# Altium PCB STB_LightBoard.PcbDoc (part 19 of 31) (continued)
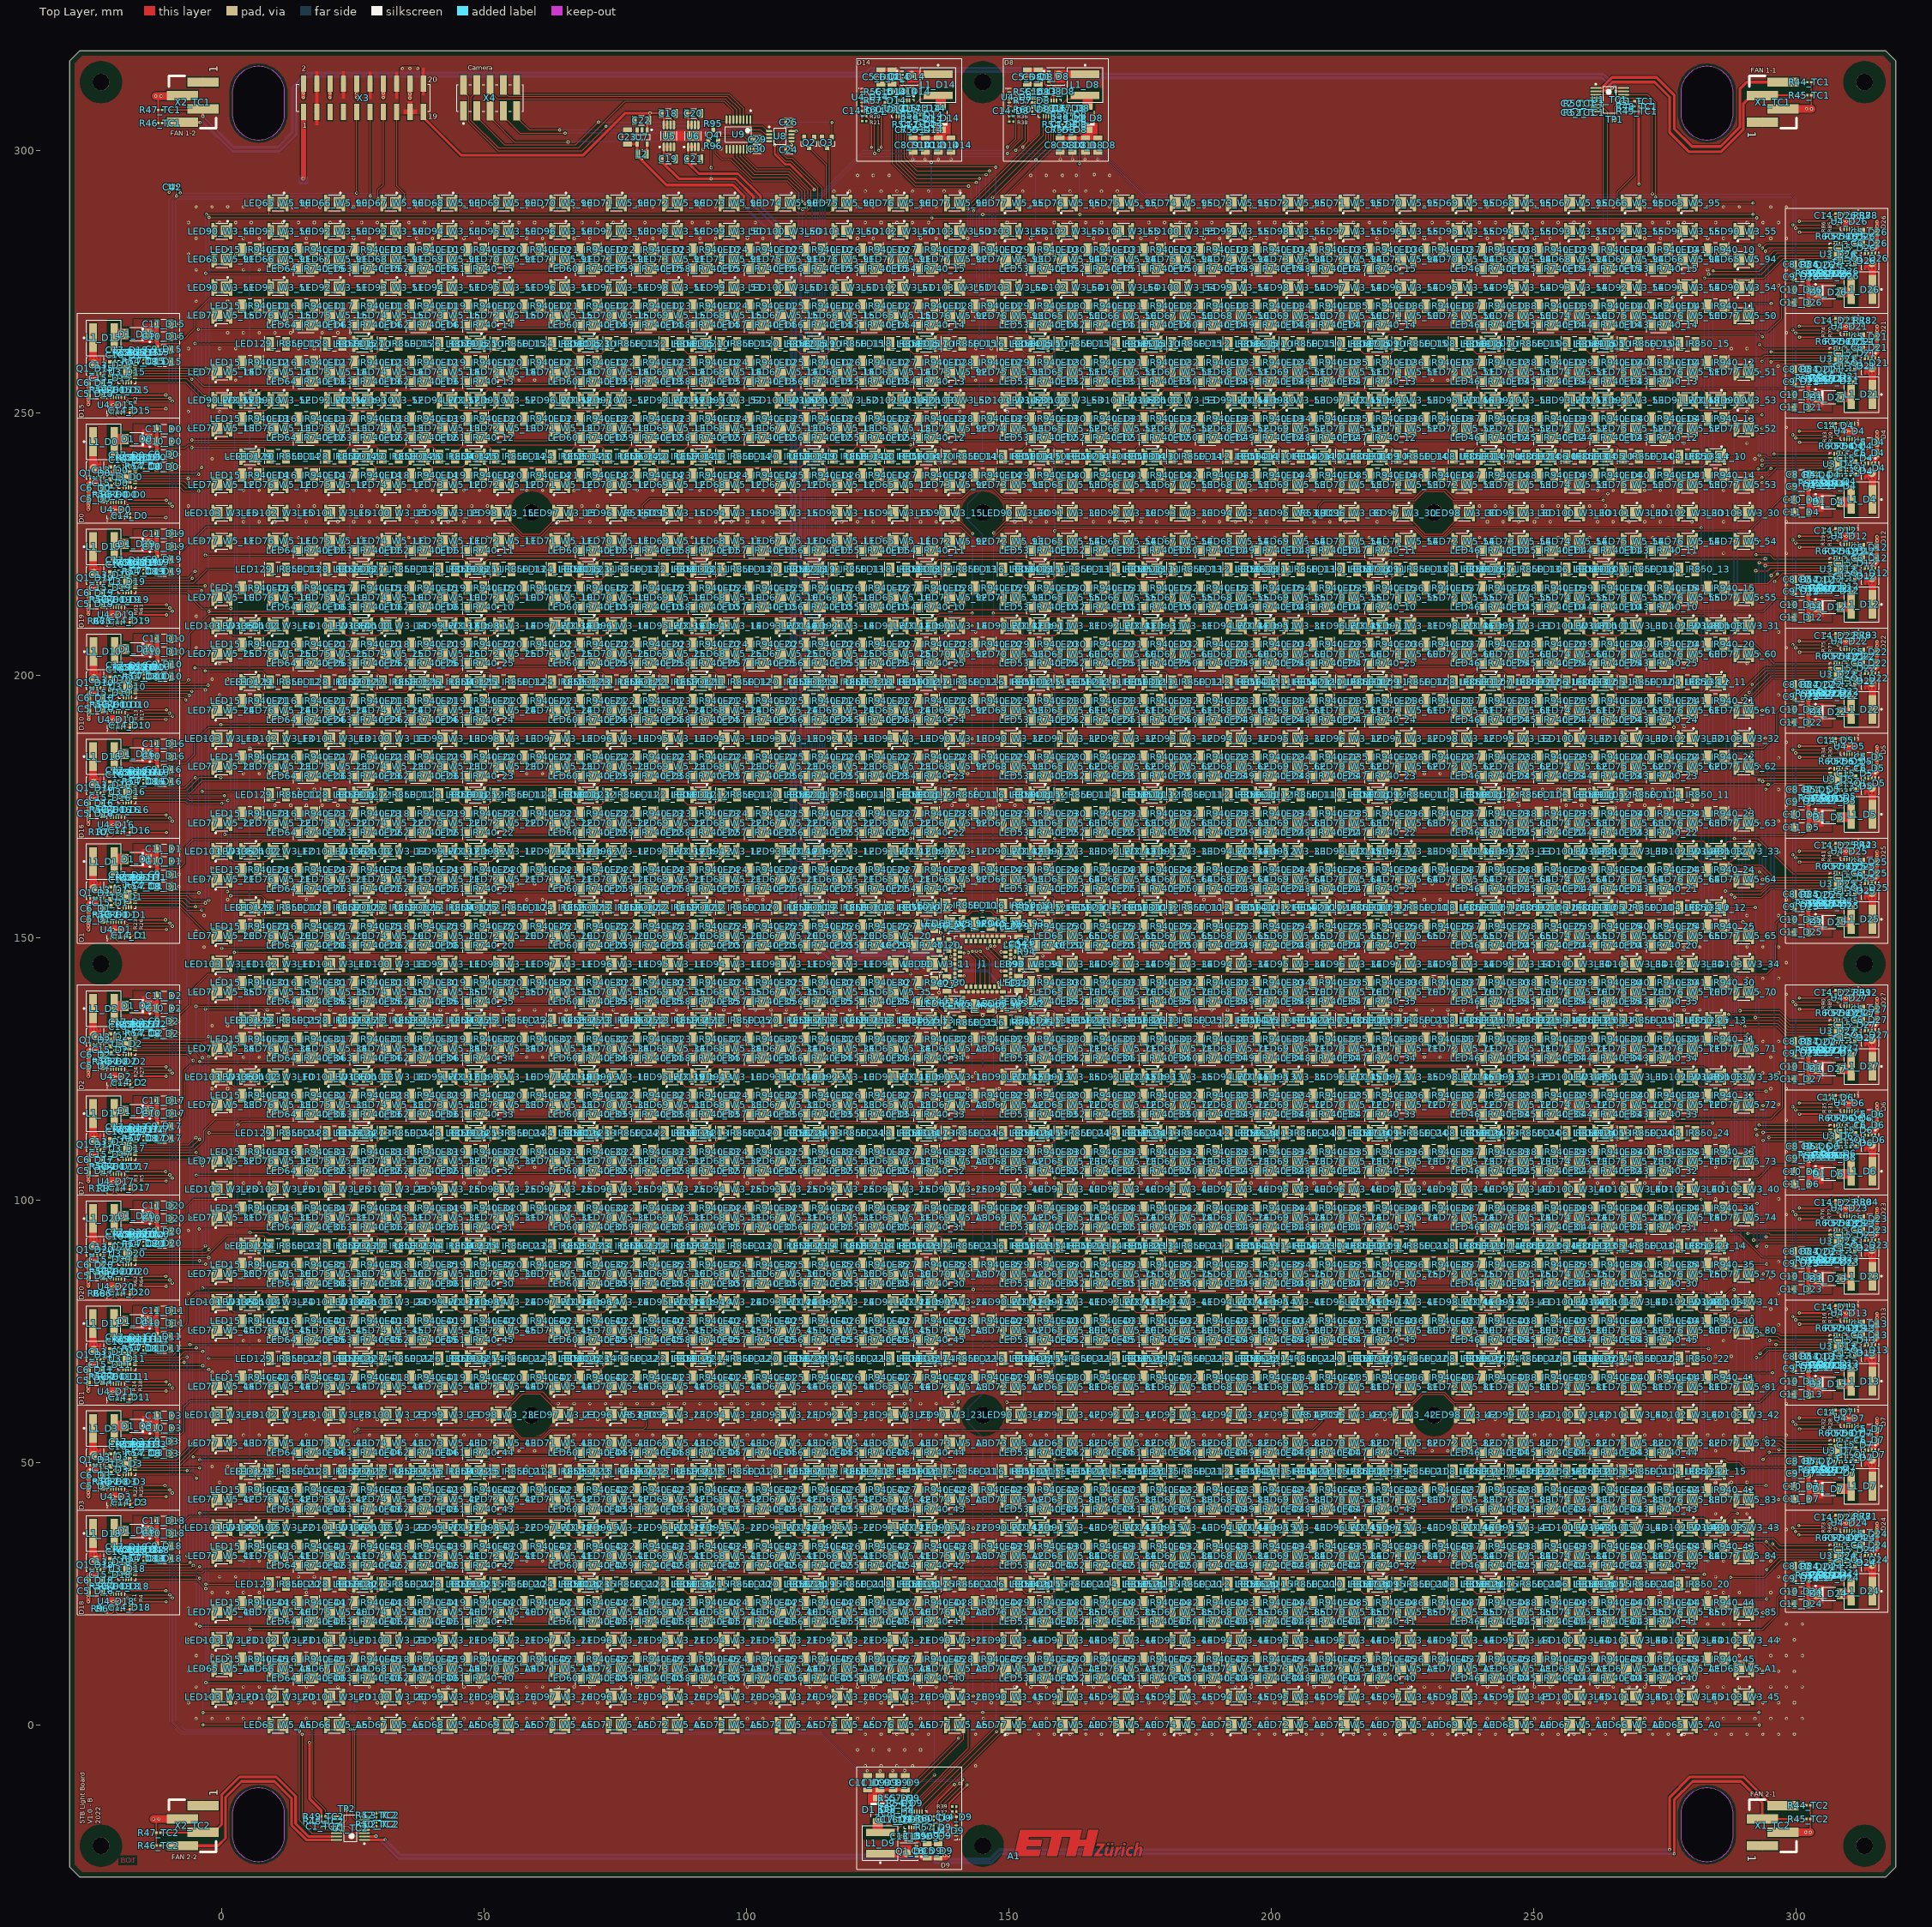
[diagram p0: Top Layer view]
## Nets (pads, with @x,y where several pads share a name; then routed paths per layer and width w, separated by ;. In a path a pad name is that pad's centre, name@x,y a point inside that pad or via, vN(x,y) a via of type N, cw(c..) or ccw(c..) an arc to the next point about the centre after c; other vN are vias at no path point) (continued)
  Top Layer w0.2: LED27_IR940_13.1@135.762,248.843 136.296,249.377 142.969,249.377 LED28_IR940_13.2@143.503,248.843
NetLED27_IR940_14_1: LED27_IR940_14.1 LED28_IR940_14.2 | length 8.2
  Top Layer w0.2: LED27_IR940_14.1@135.762,238.102 136.296,238.636 142.969,238.636 LED28_IR940_14.2@143.503,238.102
NetLED27_IR940_15_1: LED27_IR940_15.1 LED28_IR940_15.2 | length 8.2
  Top Layer w0.2: LED27_IR940_15.1@135.762,216.62 136.296,217.154 142.969,217.154 LED28_IR940_15.2@143.503,216.62
NetLED27_IR940_20_1: LED27_IR940_20.1 LED28_IR940_20.2 | length 8.2
  Top Layer w0.2: LED27_IR940_20.1@135.762,205.879 136.296,206.413 142.969,206.413 LED28_IR940_20.2@143.503,205.879
NetLED27_IR940_21_1: LED27_IR940_21.1 LED28_IR940_21.2 | length 8.2
  Top Layer w0.2: LED27_IR940_21.1@135.762,195.138 136.296,195.672 142.969,195.672 LED28_IR940_21.2@143.503,195.138
NetLED27_IR940_22_1: LED27_IR940_22.1 LED28_IR940_22.2 | length 8.2
  Top Layer w0.2: LED27_IR940_22.1@135.762,184.397 136.296,184.931 142.969,184.931 LED28_IR940_22.2@143.503,184.397
NetLED27_IR940_23_1: LED27_IR940_23.1 LED28_IR940_23.2 | length 8.2
  Top Layer w0.2: LED27_IR940_23.1@135.762,173.656 136.296,174.19 142.969,174.19 LED28_IR940_23.2@143.503,173.656
NetLED27_IR940_24_1: LED27_IR940_24.1 LED28_IR940_24.2 | length 8.2
  Top Layer w0.2: LED27_IR940_24.1@135.762,162.915 136.296,163.449 142.969,163.449 LED28_IR940_24.2@143.503,162.915
NetLED27_IR940_25_1: LED27_IR940_25.1 LED28_IR940_25.2 | length 8
  Top Layer w0.2: LED27_IR940_25.1@135.762,152.174 135.844,152.092 v1(136.751,152.092) ; v1(142.3,152.6) 143.477,152.6 LED28_IR940_25.2@143.503,152.574
  Bottom Layer w0.2: v1(136.751,152.092) 141.792,152.092 v1(142.3,152.6)
NetLED27_IR940_30_1: LED27_IR940_30.1 LED28_IR940_30.2 | length 10.6
  Top Layer w0.2: LED27_IR940_30.1@136.296,141.967 LED27_IR940_30.1@135.762,141.433 135.795,141.4 v1(136.9,141.4) ; v1(142.102,136.651) 143.151,136.651 LED28_IR940_30.2@143.5,137
  Bottom Layer w0.2: v1(136.9,141.4) 141.571,136.729 142.024,136.729 v1(142.102,136.651)
NetLED27_IR940_31_1: LED27_IR940_31.1 LED28_IR940_31.2 | length 8.2
  Top Layer w0.2: LED27_IR940_31.1@135.762,130.692 136.296,131.226 142.969,131.226 LED28_IR940_31.2@143.503,130.692
NetLED27_IR940_32_1: LED27_IR940_32.1 LED28_IR940_32.2 | length 8.2
  Top Layer w0.2: LED27_IR940_32.1@135.762,119.951 136.296,120.485 142.969,120.485 LED28_IR940_32.2@143.503,119.951
NetLED27_IR940_33_1: LED27_IR940_33.1 LED28_IR940_33.2 | length 8.2
  Top Layer w0.2: LED27_IR940_33.1@135.762,109.21 136.296,109.744 142.969,109.744 LED28_IR940_33.2@143.503,109.21
NetLED27_IR940_34_1: LED27_IR940_34.1 LED28_IR940_34.2 | length 8.2
  Top Layer w0.2: LED27_IR940_34.1@135.762,98.469 136.296,99.003 142.969,99.003 LED28_IR940_34.2@143.503,98.469
NetLED27_IR940_35_1: LED27_IR940_35.1 LED28_IR940_35.2 | length 8.2
  Top Layer w0.2: LED27_IR940_35.1@135.762,87.728 136.296,88.262 142.969,88.262 LED28_IR940_35.2@143.503,87.728
NetLED27_IR940_40_1: LED27_IR940_40.1 LED28_IR940_40.2 | length 8.2
  Top Layer w0.2: LED27_IR940_40.1@135.762,76.987 136.296,77.521 142.969,77.521 LED28_IR940_40.2@143.503,76.987
NetLED27_IR940_41_1: LED27_IR940_41.1 LED28_IR940_41.2 | length 8.2
  Top Layer w0.2: LED27_IR940_41.1@135.762,66.246 136.296,66.78 142.969,66.78 LED28_IR940_41.2@143.503,66.246
NetLED27_IR940_42_1: LED27_IR940_42.1 LED28_IR940_42.2 | length 8.2
  Top Layer w0.2: LED27_IR940_42.1@135.762,44.764 136.296,45.298 142.969,45.298 LED28_IR940_42.2@143.503,44.764
NetLED27_IR940_43_1: LED27_IR940_43.1 LED28_IR940_43.2 | length 8.2
  Top Layer w0.2: LED27_IR940_43.1@135.762,34.023 136.296,34.557 142.969,34.557 LED28_IR940_43.2@143.503,34.023
NetLED27_IR940_44_1: LED27_IR940_44.1 LED28_IR940_44.2 | length 8.2
  Top Layer w0.2: LED27_IR940_44.1@135.762,23.282 136.296,23.816 142.969,23.816 LED28_IR940_44.2@143.503,23.282
NetLED27_IR940_45_1: LED27_IR940_45.1 LED28_IR940_45.2 | length 8.2
  Top Layer w0.2: LED27_IR940_45.1@135.762,12.541 136.296,13.075 142.969,13.075 LED28_IR940_45.2@143.503,12.541
NetLED28_IR940_10_1: LED28_IR940_10.1 LED29_IR940_10.2 | length 6.7
  Top Layer w0.2: LED28_IR940_10.1@147.037,281.6 LED29_IR940_10.2@153.71,281.6
NetLED28_IR940_11_1: LED28_IR940_11.1 LED29_IR940_11.2 | length 6.7
  Top Layer w0.2: LED28_IR940_11.1@147.037,270.859 LED29_IR940_11.2@153.71,270.859
NetLED28_IR940_12_1: LED28_IR940_12.1 LED29_IR940_12.2 | length 6.7
  Top Layer w0.2: LED28_IR940_12.1@147.037,260.118 LED29_IR940_12.2@153.71,260.118
NetLED28_IR940_13_1: LED28_IR940_13.1 LED29_IR940_13.2 | length 6.7
  Top Layer w0.2: LED28_IR940_13.1@147.037,249.377 LED29_IR940_13.2@153.71,249.377
NetLED28_IR940_14_1: LED28_IR940_14.1 LED29_IR940_14.2 | length 6.7
  Top Layer w0.2: LED28_IR940_14.1@147.037,238.636 LED29_IR940_14.2@153.71,238.636
NetLED28_IR940_15_1: LED28_IR940_15.1 LED29_IR940_15.2 | length 6.7
  Top Layer w0.2: LED28_IR940_15.1@147.037,217.154 LED29_IR940_15.2@153.71,217.154
NetLED28_IR940_20_1: LED28_IR940_20.1 LED29_IR940_20.2 | length 6.7
  Top Layer w0.2: LED28_IR940_20.1@147.037,206.413 LED29_IR940_20.2@153.71,206.413
NetLED28_IR940_21_1: LED28_IR940_21.1 LED29_IR940_21.2 | length 6.7
  Top Layer w0.2: LED28_IR940_21.1@147.037,195.672 LED29_IR940_21.2@153.71,195.672
NetLED28_IR940_22_1: LED28_IR940_22.1 LED29_IR940_22.2 | length 6.7
  Top Layer w0.2: LED28_IR940_22.1@147.037,184.931 LED29_IR940_22.2@153.71,184.931
NetLED28_IR940_23_1: LED28_IR940_23.1 LED29_IR940_23.2 | length 6.7
  Top Layer w0.2: LED28_IR940_23.1@147.037,174.19 LED29_IR940_23.2@153.71,174.19
NetLED28_IR940_24_1: LED28_IR940_24.1 LED29_IR940_24.2 | length 6.7
  Top Layer w0.2: LED28_IR940_24.1@147.037,163.449 LED29_IR940_24.2@153.71,163.449
NetLED28_IR940_25_1: LED28_IR940_25.1 LED29_IR940_25.2 | length 8.9
  Top Layer w0.2: LED28_IR940_25.1@146.503,152.574 146.503,152.75 147.153,153.4 v1(147.9,153.4) ; v1(153.119,151.971) 154.041,151.971 LED29_IR940_25.2@154.244,152.174
  Bottom Layer w0.2: v1(147.9,153.4) 149.329,151.971 v1(153.119,151.971)
NetLED28_IR940_30_1: LED28_IR940_30.1 LED29_IR940_30.2 | length 10.8
  Top Layer w0.2: LED28_IR940_30.1@146.5,137 146.9,136.6 v1(147.8,136.6) ; v1(154.2,139.8) 154.2,141.389 LED29_IR940_30.2@154.244,141.433
  Bottom Layer w0.2: v1(147.8,136.6) 151,136.6 v1(154.2,139.8)
NetLED28_IR940_31_1: LED28_IR940_31.1 LED29_IR940_31.2 | length 6.7
  Top Layer w0.2: LED28_IR940_31.1@147.037,131.226 LED29_IR940_31.2@153.71,131.226
NetLED28_IR940_32_1: LED28_IR940_32.1 LED29_IR940_32.2 | length 6.7
  Top Layer w0.2: LED28_IR940_32.1@147.037,120.485 LED29_IR940_32.2@153.71,120.485
NetLED28_IR940_33_1: LED28_IR940_33.1 LED29_IR940_33.2 | length 6.7
  Top Layer w0.2: LED28_IR940_33.1@147.037,109.744 LED29_IR940_33.2@153.71,109.744
NetLED28_IR940_34_1: LED28_IR940_34.1 LED29_IR940_34.2 | length 6.7
  Top Layer w0.2: LED28_IR940_34.1@147.037,99.003 LED29_IR940_34.2@153.71,99.003
NetLED28_IR940_35_1: LED28_IR940_35.1 LED29_IR940_35.2 | length 6.7
  Top Layer w0.2: LED28_IR940_35.1@147.037,88.262 LED29_IR940_35.2@153.71,88.262
NetLED28_IR940_40_1: LED28_IR940_40.1 LED29_IR940_40.2 | length 6.7
  Top Layer w0.2: LED28_IR940_40.1@147.037,77.521 LED29_IR940_40.2@153.71,77.521
NetLED28_IR940_41_1: LED28_IR940_41.1 LED29_IR940_41.2 | length 6.7
  Top Layer w0.2: LED28_IR940_41.1@147.037,66.78 LED29_IR940_41.2@153.71,66.78
NetLED28_IR940_42_1: LED28_IR940_42.1 LED29_IR940_42.2 | length 6.7
  Top Layer w0.2: LED28_IR940_42.1@147.037,45.298 LED29_IR940_42.2@153.71,45.298
NetLED28_IR940_43_1: LED28_IR940_43.1 LED29_IR940_43.2 | length 6.7
  Top Layer w0.2: LED28_IR940_43.1@147.037,34.557 LED29_IR940_43.2@153.71,34.557
NetLED28_IR940_44_1: LED28_IR940_44.1 LED29_IR940_44.2 | length 6.7
  Top Layer w0.2: LED28_IR940_44.1@147.037,23.816 LED29_IR940_44.2@153.71,23.816
NetLED28_IR940_45_1: LED28_IR940_45.1 LED29_IR940_45.2 | length 6.7
  Top Layer w0.2: LED28_IR940_45.1@147.037,13.075 LED29_IR940_45.2@153.71,13.075
NetLED29_IR940_10_1: LED29_IR940_10.1 LED30_IR940_10.2 | length 8.2
  Top Layer w0.2: LED29_IR940_10.1@157.244,281.066 157.778,281.6 164.451,281.6 LED30_IR940_10.2@164.985,281.066
NetLED29_IR940_11_1: LED29_IR940_11.1 LED30_IR940_11.2 | length 8.2
  Top Layer w0.2: LED29_IR940_11.1@157.244,270.325 157.778,270.859 164.451,270.859 LED30_IR940_11.2@164.985,270.325
NetLED29_IR940_12_1: LED29_IR940_12.1 LED30_IR940_12.2 | length 8.2
  Top Layer w0.2: LED29_IR940_12.1@157.244,259.584 157.778,260.118 164.451,260.118 LED30_IR940_12.2@164.985,259.584
NetLED29_IR940_13_1: LED29_IR940_13.1 LED30_IR940_13.2 | length 8.2
  Top Layer w0.2: LED29_IR940_13.1@157.244,248.843 157.778,249.377 164.451,249.377 LED30_IR940_13.2@164.985,248.843
NetLED29_IR940_14_1: LED29_IR940_14.1 LED30_IR940_14.2 | length 8.2
  Top Layer w0.2: LED29_IR940_14.1@157.244,238.102 157.778,238.636 164.451,238.636 LED30_IR940_14.2@164.985,238.102
NetLED29_IR940_15_1: LED29_IR940_15.1 LED30_IR940_15.2 | length 8.2
  Top Layer w0.2: LED29_IR940_15.1@157.244,216.62 157.778,217.154 164.451,217.154 LED30_IR940_15.2@164.985,216.62
NetLED29_IR940_20_1: LED29_IR940_20.1 LED30_IR940_20.2 | length 8.2
  Top Layer w0.2: LED29_IR940_20.1@157.244,205.879 157.778,206.413 164.451,206.413 LED30_IR940_20.2@164.985,205.879
NetLED29_IR940_21_1: LED29_IR940_21.1 LED30_IR940_21.2 | length 8.2
  Top Layer w0.2: LED29_IR940_21.1@157.244,195.138 157.778,195.672 164.451,195.672 LED30_IR940_21.2@164.985,195.138
NetLED29_IR940_22_1: LED29_IR940_22.1 LED30_IR940_22.2 | length 8.2
  Top Layer w0.2: LED29_IR940_22.1@157.244,184.397 157.778,184.931 164.451,184.931 LED30_IR940_22.2@164.985,184.397
NetLED29_IR940_23_1: LED29_IR940_23.1 LED30_IR940_23.2 | length 8.2
  Top Layer w0.2: LED29_IR940_23.1@157.244,173.656 157.778,174.19 164.451,174.19 LED30_IR940_23.2@164.985,173.656
NetLED29_IR940_24_1: LED29_IR940_24.1 LED30_IR940_24.2 | length 8.2
  Top Layer w0.2: LED29_IR940_24.1@157.244,162.915 157.778,163.449 164.451,163.449 LED30_IR940_24.2@164.985,162.915
NetLED29_IR940_25_1: LED29_IR940_25.1 LED30_IR940_25.2 | length 8.2
  Top Layer w0.2: LED29_IR940_25.1@157.244,152.174 157.778,152.708 164.451,152.708 LED30_IR940_25.2@164.985,152.174
NetLED29_IR940_30_1: LED29_IR940_30.1 LED30_IR940_30.2 | length 8.2
  Top Layer w0.2: LED29_IR940_30.1@157.244,141.433 157.778,141.967 164.451,141.967 LED30_IR940_30.2@164.985,141.433
NetLED29_IR940_31_1: LED29_IR940_31.1 LED30_IR940_31.2 | length 8.2
  Top Layer w0.2: LED29_IR940_31.1@157.244,130.692 157.778,131.226 164.451,131.226 LED30_IR940_31.2@164.985,130.692
NetLED29_IR940_32_1: LED29_IR940_32.1 LED30_IR940_32.2 | length 8.2
  Top Layer w0.2: LED29_IR940_32.1@157.244,119.951 157.778,120.485 164.451,120.485 LED30_IR940_32.2@164.985,119.951
NetLED29_IR940_33_1: LED29_IR940_33.1 LED30_IR940_33.2 | length 8.2
  Top Layer w0.2: LED29_IR940_33.1@157.244,109.21 157.778,109.744 164.451,109.744 LED30_IR940_33.2@164.985,109.21
NetLED29_IR940_34_1: LED29_IR940_34.1 LED30_IR940_34.2 | length 8.2
  Top Layer w0.2: LED29_IR940_34.1@157.244,98.469 157.778,99.003 164.451,99.003 LED30_IR940_34.2@164.985,98.469
NetLED29_IR940_35_1: LED29_IR940_35.1 LED30_IR940_35.2 | length 8.2
  Top Layer w0.2: LED29_IR940_35.1@157.244,87.728 157.778,88.262 164.451,88.262 LED30_IR940_35.2@164.985,87.728
NetLED29_IR940_40_1: LED29_IR940_40.1 LED30_IR940_40.2 | length 8.2
  Top Layer w0.2: LED29_IR940_40.1@157.244,76.987 157.778,77.521 164.451,77.521 LED30_IR940_40.2@164.985,76.987
NetLED29_IR940_41_1: LED29_IR940_41.1 LED30_IR940_41.2 | length 8.2
  Top Layer w0.2: LED29_IR940_41.1@157.244,66.246 157.778,66.78 164.451,66.78 LED30_IR940_41.2@164.985,66.246
NetLED29_IR940_42_1: LED29_IR940_42.1 LED30_IR940_42.2 | length 8.2
  Top Layer w0.2: LED29_IR940_42.1@157.244,44.764 157.778,45.298 164.451,45.298 LED30_IR940_42.2@164.985,44.764
NetLED29_IR940_43_1: LED29_IR940_43.1 LED30_IR940_43.2 | length 8.2
  Top Layer w0.2: LED29_IR940_43.1@157.244,34.023 157.778,34.557 164.451,34.557 LED30_IR940_43.2@164.985,34.023
NetLED29_IR940_44_1: LED29_IR940_44.1 LED30_IR940_44.2 | length 8.2
  Top Layer w0.2: LED29_IR940_44.1@157.244,23.282 157.778,23.816 164.451,23.816 LED30_IR940_44.2@164.985,23.282
NetLED29_IR940_45_1: LED29_IR940_45.1 LED30_IR940_45.2 | length 8.2
  Top Layer w0.2: LED29_IR940_45.1@157.244,12.541 157.778,13.075 164.451,13.075 LED30_IR940_45.2@164.985,12.541
NetLED30_IR940_10_1: LED30_IR940_10.1 LED31_IR940_10.2 | length 8.2
  Top Layer w0.2: LED30_IR940_10.1@167.985,281.066 168.519,281.6 175.192,281.6 LED31_IR940_10.2@175.726,281.066
NetLED30_IR940_11_1: LED30_IR940_11.1 LED31_IR940_11.2 | length 8.2
  Top Layer w0.2: LED30_IR940_11.1@167.985,270.325 168.519,270.859 175.192,270.859 LED31_IR940_11.2@175.726,270.325
NetLED30_IR940_12_1: LED30_IR940_12.1 LED31_IR940_12.2 | length 8.2
  Top Layer w0.2: LED30_IR940_12.1@167.985,259.584 168.519,260.118 175.192,260.118 LED31_IR940_12.2@175.726,259.584
NetLED30_IR940_13_1: LED30_IR940_13.1 LED31_IR940_13.2 | length 8.2
  Top Layer w0.2: LED30_IR940_13.1@167.985,248.843 168.519,249.377 175.192,249.377 LED31_IR940_13.2@175.726,248.843
NetLED30_IR940_14_1: LED30_IR940_14.1 LED31_IR940_14.2 | length 8.2
  Top Layer w0.2: LED30_IR940_14.1@167.985,238.102 168.519,238.636 175.192,238.636 LED31_IR940_14.2@175.726,238.102
NetLED30_IR940_15_1: LED30_IR940_15.1 LED31_IR940_15.2 | length 8.2
  Top Layer w0.2: LED30_IR940_15.1@167.985,216.62 168.519,217.154 175.192,217.154 LED31_IR940_15.2@175.726,216.62
NetLED30_IR940_20_1: LED30_IR940_20.1 LED31_IR940_20.2 | length 8.2
  Top Layer w0.2: LED30_IR940_20.1@167.985,205.879 168.519,206.413 175.192,206.413 LED31_IR940_20.2@175.726,205.879
NetLED30_IR940_21_1: LED30_IR940_21.1 LED31_IR940_21.2 | length 8.2
  Top Layer w0.2: LED30_IR940_21.1@167.985,195.138 168.519,195.672 175.192,195.672 LED31_IR940_21.2@175.726,195.138
NetLED30_IR940_22_1: LED30_IR940_22.1 LED31_IR940_22.2 | length 8.2
  Top Layer w0.2: LED30_IR940_22.1@167.985,184.397 168.519,184.931 175.192,184.931 LED31_IR940_22.2@175.726,184.397
NetLED30_IR940_23_1: LED30_IR940_23.1 LED31_IR940_23.2 | length 8.2
  Top Layer w0.2: LED30_IR940_23.1@167.985,173.656 168.519,174.19 175.192,174.19 LED31_IR940_23.2@175.726,173.656
NetLED30_IR940_24_1: LED30_IR940_24.1 LED31_IR940_24.2 | length 8.2
  Top Layer w0.2: LED30_IR940_24.1@167.985,162.915 168.519,163.449 175.192,163.449 LED31_IR940_24.2@175.726,162.915
NetLED30_IR940_25_1: LED30_IR940_25.1 LED31_IR940_25.2 | length 8.2
  Top Layer w0.2: LED30_IR940_25.1@167.985,152.174 168.519,152.708 175.192,152.708 LED31_IR940_25.2@175.726,152.174
NetLED30_IR940_30_1: LED30_IR940_30.1 LED31_IR940_30.2 | length 8.2
  Top Layer w0.2: LED30_IR940_30.1@167.985,141.433 168.519,141.967 175.192,141.967 LED31_IR940_30.2@175.726,141.433
NetLED30_IR940_31_1: LED30_IR940_31.1 LED31_IR940_31.2 | length 8.2
  Top Layer w0.2: LED30_IR940_31.1@167.985,130.692 168.519,131.226 175.192,131.226 LED31_IR940_31.2@175.726,130.692
NetLED30_IR940_32_1: LED30_IR940_32.1 LED31_IR940_32.2 | length 8.2
  Top Layer w0.2: LED30_IR940_32.1@167.985,119.951 168.519,120.485 175.192,120.485 LED31_IR940_32.2@175.726,119.951
NetLED30_IR940_33_1: LED30_IR940_33.1 LED31_IR940_33.2 | length 8.2
  Top Layer w0.2: LED30_IR940_33.1@167.985,109.21 168.519,109.744 175.192,109.744 LED31_IR940_33.2@175.726,109.21
NetLED30_IR940_34_1: LED30_IR940_34.1 LED31_IR940_34.2 | length 8.2
  Top Layer w0.2: LED30_IR940_34.1@167.985,98.469 168.519,99.003 175.192,99.003 LED31_IR940_34.2@175.726,98.469
NetLED30_IR940_35_1: LED30_IR940_35.1 LED31_IR940_35.2 | length 8.2
  Top Layer w0.2: LED30_IR940_35.1@167.985,87.728 168.519,88.262 175.192,88.262 LED31_IR940_35.2@175.726,87.728
NetLED30_IR940_40_1: LED30_IR940_40.1 LED31_IR940_40.2 | length 8.2
  Top Layer w0.2: LED30_IR940_40.1@167.985,76.987 168.519,77.521 175.192,77.521 LED31_IR940_40.2@175.726,76.987
NetLED30_IR940_41_1: LED30_IR940_41.1 LED31_IR940_41.2 | length 8.2
  Top Layer w0.2: LED30_IR940_41.1@167.985,66.246 168.519,66.78 175.192,66.78 LED31_IR940_41.2@175.726,66.246
NetLED30_IR940_42_1: LED30_IR940_42.1 LED31_IR940_42.2 | length 8.2
  Top Layer w0.2: LED30_IR940_42.1@167.985,44.764 168.519,45.298 175.192,45.298 LED31_IR940_42.2@175.726,44.764
NetLED30_IR940_43_1: LED30_IR940_43.1 LED31_IR940_43.2 | length 8.2
  Top Layer w0.2: LED30_IR940_43.1@167.985,34.023 168.519,34.557 175.192,34.557 LED31_IR940_43.2@175.726,34.023
NetLED30_IR940_44_1: LED30_IR940_44.1 LED31_IR940_44.2 | length 8.2
  Top Layer w0.2: LED30_IR940_44.1@167.985,23.282 168.519,23.816 175.192,23.816 LED31_IR940_44.2@175.726,23.282
NetLED30_IR940_45_1: LED30_IR940_45.1 LED31_IR940_45.2 | length 8.2
  Top Layer w0.2: LED30_IR940_45.1@167.985,12.541 168.519,13.075 175.192,13.075 LED31_IR940_45.2@175.726,12.541
NetLED31_IR940_10_1: LED31_IR940_10.1 LED32_IR940_10.2 | length 8.2
  Top Layer w0.2: LED31_IR940_10.1@178.726,281.066 179.26,281.6 185.933,281.6 LED32_IR940_10.2@186.467,281.066
NetLED31_IR940_11_1: LED31_IR940_11.1 LED32_IR940_11.2 | length 8.2
  Top Layer w0.2: LED31_IR940_11.1@178.726,270.325 179.26,270.859 185.933,270.859 LED32_IR940_11.2@186.467,270.325
NetLED31_IR940_12_1: LED31_IR940_12.1 LED32_IR940_12.2 | length 8.2
  Top Layer w0.2: LED31_IR940_12.1@178.726,259.584 179.26,260.118 185.933,260.118 LED32_IR940_12.2@186.467,259.584
NetLED31_IR940_13_1: LED31_IR940_13.1 LED32_IR940_13.2 | length 8.2
  Top Layer w0.2: LED31_IR940_13.1@178.726,248.843 179.26,249.377 185.933,249.377 LED32_IR940_13.2@186.467,248.843
NetLED31_IR940_14_1: LED31_IR940_14.1 LED32_IR940_14.2 | length 8.2
  Top Layer w0.2: LED31_IR940_14.1@178.726,238.102 179.26,238.636 185.933,238.636 LED32_IR940_14.2@186.467,238.102
NetLED31_IR940_15_1: LED31_IR940_15.1 LED32_IR940_15.2 | length 8.2
  Top Layer w0.2: LED31_IR940_15.1@178.726,216.62 179.26,217.154 185.933,217.154 LED32_IR940_15.2@186.467,216.62
NetLED31_IR940_20_1: LED31_IR940_20.1 LED32_IR940_20.2 | length 8.2
  Top Layer w0.2: LED31_IR940_20.1@178.726,205.879 179.26,206.413 185.933,206.413 LED32_IR940_20.2@186.467,205.879
NetLED31_IR940_21_1: LED31_IR940_21.1 LED32_IR940_21.2 | length 8.2
  Top Layer w0.2: LED31_IR940_21.1@178.726,195.138 179.26,195.672 185.933,195.672 LED32_IR940_21.2@186.467,195.138
NetLED31_IR940_22_1: LED31_IR940_22.1 LED32_IR940_22.2 | length 8.2
  Top Layer w0.2: LED31_IR940_22.1@178.726,184.397 179.26,184.931 185.933,184.931 LED32_IR940_22.2@186.467,184.397
NetLED31_IR940_23_1: LED31_IR940_23.1 LED32_IR940_23.2 | length 8.2
  Top Layer w0.2: LED31_IR940_23.1@178.726,173.656 179.26,174.19 185.933,174.19 LED32_IR940_23.2@186.467,173.656
NetLED31_IR940_24_1: LED31_IR940_24.1 LED32_IR940_24.2 | length 8.2
  Top Layer w0.2: LED31_IR940_24.1@178.726,162.915 179.26,163.449 185.933,163.449 LED32_IR940_24.2@186.467,162.915
NetLED31_IR940_25_1: LED31_IR940_25.1 LED32_IR940_25.2 | length 8.2
  Top Layer w0.2: LED31_IR940_25.1@178.726,152.174 179.26,152.708 185.933,152.708 LED32_IR940_25.2@186.467,152.174
NetLED31_IR940_30_1: LED31_IR940_30.1 LED32_IR940_30.2 | length 8.2
  Top Layer w0.2: LED31_IR940_30.1@178.726,141.433 179.26,141.967 185.933,141.967 LED32_IR940_30.2@186.467,141.433
NetLED31_IR940_31_1: LED31_IR940_31.1 LED32_IR940_31.2 | length 8.2
  Top Layer w0.2: LED31_IR940_31.1@178.726,130.692 179.26,131.226 185.933,131.226 LED32_IR940_31.2@186.467,130.692
NetLED31_IR940_32_1: LED31_IR940_32.1 LED32_IR940_32.2 | length 8.2
  Top Layer w0.2: LED31_IR940_32.1@178.726,119.951 179.26,120.485 185.933,120.485 LED32_IR940_32.2@186.467,119.951
NetLED31_IR940_33_1: LED31_IR940_33.1 LED32_IR940_33.2 | length 8.2
  Top Layer w0.2: LED31_IR940_33.1@178.726,109.21 179.26,109.744 185.933,109.744 LED32_IR940_33.2@186.467,109.21
NetLED31_IR940_34_1: LED31_IR940_34.1 LED32_IR940_34.2 | length 8.2
  Top Layer w0.2: LED31_IR940_34.1@178.726,98.469 179.26,99.003 185.933,99.003 LED32_IR940_34.2@186.467,98.469
NetLED31_IR940_35_1: LED31_IR940_35.1 LED32_IR940_35.2 | length 8.2
  Top Layer w0.2: LED31_IR940_35.1@178.726,87.728 179.26,88.262 185.933,88.262 LED32_IR940_35.2@186.467,87.728
NetLED31_IR940_40_1: LED31_IR940_40.1 LED32_IR940_40.2 | length 8.2
  Top Layer w0.2: LED31_IR940_40.1@178.726,76.987 179.26,77.521 185.933,77.521 LED32_IR940_40.2@186.467,76.987
NetLED31_IR940_41_1: LED31_IR940_41.1 LED32_IR940_41.2 | length 8.2
  Top Layer w0.2: LED31_IR940_41.1@178.726,66.246 179.26,66.78 185.933,66.78 LED32_IR940_41.2@186.467,66.246
NetLED31_IR940_42_1: LED31_IR940_42.1 LED32_IR940_42.2 | length 8.2
  Top Layer w0.2: LED31_IR940_42.1@178.726,44.764 179.26,45.298 185.933,45.298 LED32_IR940_42.2@186.467,44.764
NetLED31_IR940_43_1: LED31_IR940_43.1 LED32_IR940_43.2 | length 8.2
  Top Layer w0.2: LED31_IR940_43.1@178.726,34.023 179.26,34.557 185.933,34.557 LED32_IR940_43.2@186.467,34.023
NetLED31_IR940_44_1: LED31_IR940_44.1 LED32_IR940_44.2 | length 8.2
  Top Layer w0.2: LED31_IR940_44.1@178.726,23.282 179.26,23.816 185.933,23.816 LED32_IR940_44.2@186.467,23.282
NetLED31_IR940_45_1: LED31_IR940_45.1 LED32_IR940_45.2 | length 8.2
  Top Layer w0.2: LED31_IR940_45.1@178.726,12.541 179.26,13.075 185.933,13.075 LED32_IR940_45.2@186.467,12.541
NetLED32_IR940_10_1: LED32_IR940_10.1 LED33_IR940_10.2 | length 8.2
  Top Layer w0.2: LED32_IR940_10.1@189.467,281.066 190.001,281.6 196.674,281.6 LED33_IR940_10.2@197.208,281.066
NetLED32_IR940_11_1: LED32_IR940_11.1 LED33_IR940_11.2 | length 8.2
  Top Layer w0.2: LED32_IR940_11.1@189.467,270.325 190.001,270.859 196.674,270.859 LED33_IR940_11.2@197.208,270.325
NetLED32_IR940_12_1: LED32_IR940_12.1 LED33_IR940_12.2 | length 8.2
  Top Layer w0.2: LED32_IR940_12.1@189.467,259.584 190.001,260.118 196.674,260.118 LED33_IR940_12.2@197.208,259.584
NetLED32_IR940_13_1: LED32_IR940_13.1 LED33_IR940_13.2 | length 8.2
  Top Layer w0.2: LED32_IR940_13.1@189.467,248.843 190.001,249.377 196.674,249.377 LED33_IR940_13.2@197.208,248.843
NetLED32_IR940_14_1: LED32_IR940_14.1 LED33_IR940_14.2 | length 8.2
  Top Layer w0.2: LED32_IR940_14.1@189.467,238.102 190.001,238.636 196.674,238.636 LED33_IR940_14.2@197.208,238.102
NetLED32_IR940_15_1: LED32_IR940_15.1 LED33_IR940_15.2 | length 8.2
  Top Layer w0.2: LED32_IR940_15.1@189.467,216.62 190.001,217.154 196.674,217.154 LED33_IR940_15.2@197.208,216.62
NetLED32_IR940_20_1: LED32_IR940_20.1 LED33_IR940_20.2 | length 8.2
  Top Layer w0.2: LED32_IR940_20.1@189.467,205.879 190.001,206.413 196.674,206.413 LED33_IR940_20.2@197.208,205.879
NetLED32_IR940_21_1: LED32_IR940_21.1 LED33_IR940_21.2 | length 8.2
  Top Layer w0.2: LED32_IR940_21.1@189.467,195.138 190.001,195.672 196.674,195.672 LED33_IR940_21.2@197.208,195.138
NetLED32_IR940_22_1: LED32_IR940_22.1 LED33_IR940_22.2 | length 8.2
  Top Layer w0.2: LED32_IR940_22.1@189.467,184.397 190.001,184.931 196.674,184.931 LED33_IR940_22.2@197.208,184.397
NetLED32_IR940_23_1: LED32_IR940_23.1 LED33_IR940_23.2 | length 8.2
  Top Layer w0.2: LED32_IR940_23.1@189.467,173.656 190.001,174.19 196.674,174.19 LED33_IR940_23.2@197.208,173.656
NetLED32_IR940_24_1: LED32_IR940_24.1 LED33_IR940_24.2 | length 8.2
  Top Layer w0.2: LED32_IR940_24.1@189.467,162.915 190.001,163.449 196.674,163.449 LED33_IR940_24.2@197.208,162.915
NetLED32_IR940_25_1: LED32_IR940_25.1 LED33_IR940_25.2 | length 8.2
  Top Layer w0.2: LED32_IR940_25.1@189.467,152.174 190.001,152.708 196.674,152.708 LED33_IR940_25.2@197.208,152.174
NetLED32_IR940_30_1: LED32_IR940_30.1 LED33_IR940_30.2 | length 8.2
  Top Layer w0.2: LED32_IR940_30.1@189.467,141.433 190.001,141.967 196.674,141.967 LED33_IR940_30.2@197.208,141.433
NetLED32_IR940_31_1: LED32_IR940_31.1 LED33_IR940_31.2 | length 8.2
  Top Layer w0.2: LED32_IR940_31.1@189.467,130.692 190.001,131.226 196.674,131.226 LED33_IR940_31.2@197.208,130.692
NetLED32_IR940_32_1: LED32_IR940_32.1 LED33_IR940_32.2 | length 8.2
  Top Layer w0.2: LED32_IR940_32.1@189.467,119.951 190.001,120.485 196.674,120.485 LED33_IR940_32.2@197.208,119.951
NetLED32_IR940_33_1: LED32_IR940_33.1 LED33_IR940_33.2 | length 8.2
  Top Layer w0.2: LED32_IR940_33.1@189.467,109.21 190.001,109.744 196.674,109.744 LED33_IR940_33.2@197.208,109.21
NetLED32_IR940_34_1: LED32_IR940_34.1 LED33_IR940_34.2 | length 8.2
  Top Layer w0.2: LED32_IR940_34.1@189.467,98.469 190.001,99.003 196.674,99.003 LED33_IR940_34.2@197.208,98.469
NetLED32_IR940_35_1: LED32_IR940_35.1 LED33_IR940_35.2 | length 8.2
  Top Layer w0.2: LED32_IR940_35.1@189.467,87.728 190.001,88.262 196.674,88.262 LED33_IR940_35.2@197.208,87.728
NetLED32_IR940_40_1: LED32_IR940_40.1 LED33_IR940_40.2 | length 8.2
  Top Layer w0.2: LED32_IR940_40.1@189.467,76.987 190.001,77.521 196.674,77.521 LED33_IR940_40.2@197.208,76.987
NetLED32_IR940_41_1: LED32_IR940_41.1 LED33_IR940_41.2 | length 8.2
  Top Layer w0.2: LED32_IR940_41.1@189.467,66.246 190.001,66.78 196.674,66.78 LED33_IR940_41.2@197.208,66.246
NetLED32_IR940_42_1: LED32_IR940_42.1 LED33_IR940_42.2 | length 8.2
  Top Layer w0.2: LED32_IR940_42.1@189.467,44.764 190.001,45.298 196.674,45.298 LED33_IR940_42.2@197.208,44.764
NetLED32_IR940_43_1: LED32_IR940_43.1 LED33_IR940_43.2 | length 8.2
  Top Layer w0.2: LED32_IR940_43.1@189.467,34.023 190.001,34.557 196.674,34.557 LED33_IR940_43.2@197.208,34.023
NetLED32_IR940_44_1: LED32_IR940_44.1 LED33_IR940_44.2 | length 8.2
  Top Layer w0.2: LED32_IR940_44.1@189.467,23.282 190.001,23.816 196.674,23.816 LED33_IR940_44.2@197.208,23.282
NetLED32_IR940_45_1: LED32_IR940_45.1 LED33_IR940_45.2 | length 8.2
  Top Layer w0.2: LED32_IR940_45.1@189.467,12.541 190.001,13.075 196.674,13.075 LED33_IR940_45.2@197.208,12.541
NetLED33_IR940_10_1: LED33_IR940_10.1 LED34_IR940_10.2 | length 8.2
  Top Layer w0.2: LED33_IR940_10.1@200.208,281.066 200.742,281.6 207.415,281.6 LED34_IR940_10.2@207.949,281.066
NetLED33_IR940_11_1: LED33_IR940_11.1 LED34_IR940_11.2 | length 8.2
  Top Layer w0.2: LED33_IR940_11.1@200.208,270.325 200.742,270.859 207.415,270.859 LED34_IR940_11.2@207.949,270.325
NetLED33_IR940_12_1: LED33_IR940_12.1 LED34_IR940_12.2 | length 8.2
  Top Layer w0.2: LED33_IR940_12.1@200.208,259.584 200.742,260.118 207.415,260.118 LED34_IR940_12.2@207.949,259.584
NetLED33_IR940_13_1: LED33_IR940_13.1 LED34_IR940_13.2 | length 8.2
  Top Layer w0.2: LED33_IR940_13.1@200.208,248.843 200.742,249.377 207.415,249.377 LED34_IR940_13.2@207.949,248.843
NetLED33_IR940_14_1: LED33_IR940_14.1 LED34_IR940_14.2 | length 8.2
  Top Layer w0.2: LED33_IR940_14.1@200.208,238.102 200.742,238.636 207.415,238.636 LED34_IR940_14.2@207.949,238.102
NetLED33_IR940_15_1: LED33_IR940_15.1 LED34_IR940_15.2 | length 8.2
  Top Layer w0.2: LED33_IR940_15.1@200.208,216.62 200.742,217.154 207.415,217.154 LED34_IR940_15.2@207.949,216.62
NetLED33_IR940_20_1: LED33_IR940_20.1 LED34_IR940_20.2 | length 8.2
  Top Layer w0.2: LED33_IR940_20.1@200.208,205.879 200.742,206.413 207.415,206.413 LED34_IR940_20.2@207.949,205.879
NetLED33_IR940_21_1: LED33_IR940_21.1 LED34_IR940_21.2 | length 8.2
  Top Layer w0.2: LED33_IR940_21.1@200.208,195.138 200.742,195.672 207.415,195.672 LED34_IR940_21.2@207.949,195.138
NetLED33_IR940_22_1: LED33_IR940_22.1 LED34_IR940_22.2 | length 8.2
  Top Layer w0.2: LED33_IR940_22.1@200.208,184.397 200.742,184.931 207.415,184.931 LED34_IR940_22.2@207.949,184.397
NetLED33_IR940_23_1: LED33_IR940_23.1 LED34_IR940_23.2 | length 8.2
  Top Layer w0.2: LED33_IR940_23.1@200.208,173.656 200.742,174.19 207.415,174.19 LED34_IR940_23.2@207.949,173.656
NetLED33_IR940_24_1: LED33_IR940_24.1 LED34_IR940_24.2 | length 8.2
  Top Layer w0.2: LED33_IR940_24.1@200.208,162.915 200.742,163.449 207.415,163.449 LED34_IR940_24.2@207.949,162.915
NetLED33_IR940_25_1: LED33_IR940_25.1 LED34_IR940_25.2 | length 8.2
  Top Layer w0.2: LED33_IR940_25.1@200.208,152.174 200.742,152.708 207.415,152.708 LED34_IR940_25.2@207.949,152.174
NetLED33_IR940_30_1: LED33_IR940_30.1 LED34_IR940_30.2 | length 8.2
  Top Layer w0.2: LED33_IR940_30.1@200.208,141.433 200.742,141.967 207.415,141.967 LED34_IR940_30.2@207.949,141.433
NetLED33_IR940_31_1: LED33_IR940_31.1 LED34_IR940_31.2 | length 8.2
  Top Layer w0.2: LED33_IR940_31.1@200.208,130.692 200.742,131.226 207.415,131.226 LED34_IR940_31.2@207.949,130.692
NetLED33_IR940_32_1: LED33_IR940_32.1 LED34_IR940_32.2 | length 8.2
  Top Layer w0.2: LED33_IR940_32.1@200.208,119.951 200.742,120.485 207.415,120.485 LED34_IR940_32.2@207.949,119.951
NetLED33_IR940_33_1: LED33_IR940_33.1 LED34_IR940_33.2 | length 8.2
  Top Layer w0.2: LED33_IR940_33.1@200.208,109.21 200.742,109.744 207.415,109.744 LED34_IR940_33.2@207.949,109.21
NetLED33_IR940_34_1: LED33_IR940_34.1 LED34_IR940_34.2 | length 8.2
  Top Layer w0.2: LED33_IR940_34.1@200.208,98.469 200.742,99.003 207.415,99.003 LED34_IR940_34.2@207.949,98.469
NetLED33_IR940_35_1: LED33_IR940_35.1 LED34_IR940_35.2 | length 8.2
  Top Layer w0.2: LED33_IR940_35.1@200.208,87.728 200.742,88.262 207.415,88.262 LED34_IR940_35.2@207.949,87.728